# Altium PCB 飞控一体板.PcbDoc (part 2 of 2)
Units mil, origin at the board's own origin, x right, y up, seen from the top; angles counter-clockwise.
Board outline 2755.91 x 1968.5 mil, 2 copper layers (Top Layer, Bottom Layer); 100 components, 65 nets, 378 pads, 69 vias.
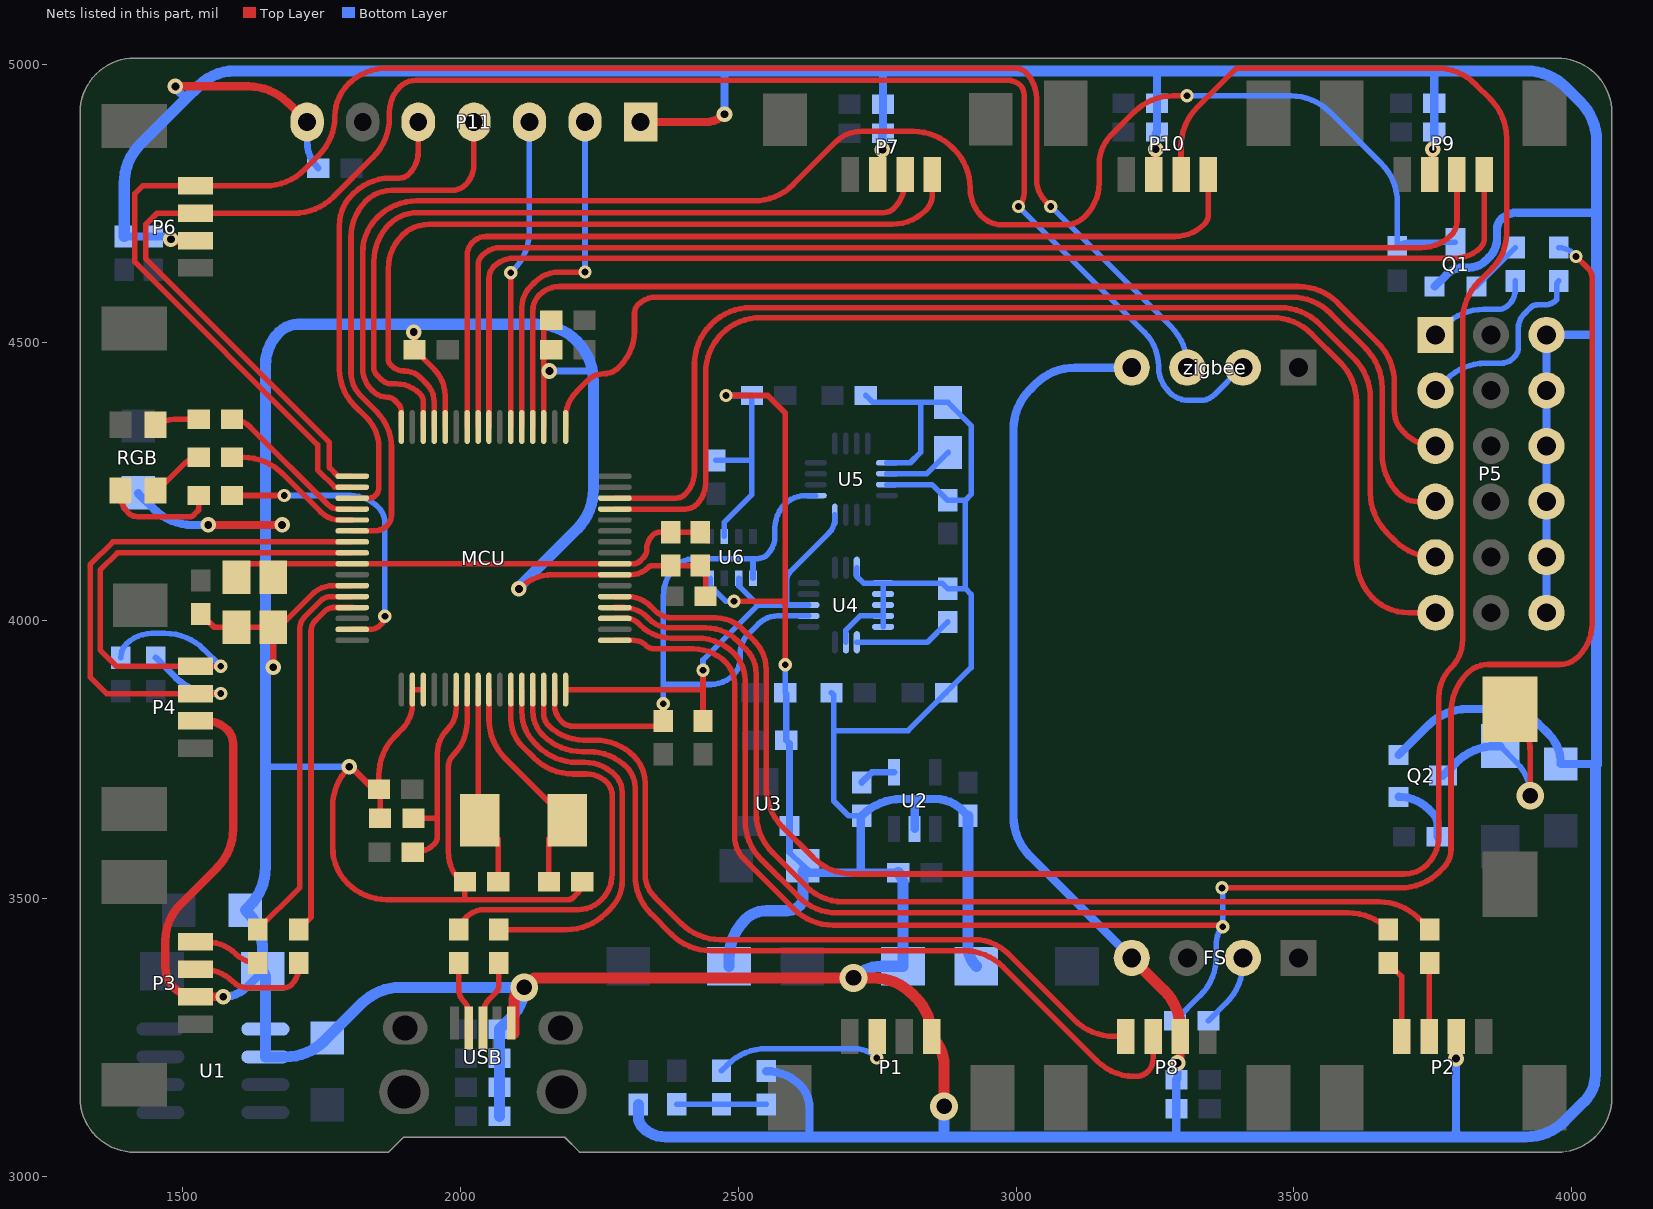
[diagram p2: the nets of this part, all layers, seen from the top]

## Via types
v1: diameter 28, hole 14, Top Layer to Bottom Layer, tented both sides, 31 vias
v2: diameter 24, hole 12, Top Layer to Bottom Layer, tented both sides, 30 vias
v3: diameter 50, hole 28, Top Layer to Bottom Layer, tented both sides, 8 vias

## Nets (pads, with @x,y where several pads share a name; then routed paths per layer and width w, separated by ;. In a path a pad name is that pad's centre, name@x,y a point inside that pad or via, vN(x,y) a via of type N, cw(c..) or ccw(c..) an arc to the next point about the centre after c; other vN are vias at no path point) (continued)
GND: C1.1 C2.1 C3.1 C5.1 C6.2 C7.1 C8.1 C9.1 C10.1 C11.1 C12.1 C13.1 C14.1 C15.1 C16.1 C17.1 C18.1 C19.2 C20.2 C21.1 C22.1 C23.1 C24.1 C25.1 C26.2 C27.1 C28.2 C29.1 C30.1 C31.1 C32.1 C33.1 C34.1 C35.1 C36.1 C37.1 C38.1 C39.1 C40.1 C41.1 C42.1 C43.1 D1.1 D2.1 D3.1 D4.1 FS.4 MC2.1 MC3.1 MC5.2 MC7.2 MC8.2 MCU.3 MCU.12 MCU.27 MCU.34 MCU.35 MCU.39 MCU.55 P1.4 P2.3 P3.3 P4.3 P5.13 P5.14 P5.15 P5.16 P5.17 P5.18 P6.3 P7.3 P8.3 P9.3 P10.3 P11.1 P11.7 Q1.2 Q2.2 R2.2 U1.1 U1.2 U2.2 U3.1 U4.8 U4.9 U4.10 U4.11 U4.12 U4.13 U4.15 U5.9 U5.11 U6.1 U6.7 USB.5 zigbee.4 | length 23890.5
  Top Layer w10: C10.1@1533.5,4012 1557.5,3988 C18.1@1597.5,3988 C17.1@1663.5,3988 ccw(c1663.5,4014.56) 1682.28,3995.78 1733.5,4047 cw(c1771.74,4008.76) 1771.74,4062.84 MCU.27@1805.67,4062.84 ; v1(1800.5,3737) 1799.79,3736.29 ccw(c1870.5,3665.58) 1770.5,3665.58 1770.5,3591.77 ccw(c1861.7,3591.77) 1797.21,3527.29 ccw(c1867.92,3598) 1867.92,3498 2008.5,3498 ; C19.2@1855.75,3644.38 1855.75,3694.38 C9.1@1853.75,3696.38 1853.75,3721.83 cw(c1953.75,3721.83) 1883.04,3792.54 1895.5,3805 ccw(c1851,3849.5) 1913.93,3849.5 MCU.34@1913.93,3875.83 MCU.35@1933.62,3875.83 ; C11.1@1917.75,4487.38 1953.35,4451.78 cw(c1905.92,4404.36) 1972.99,4404.36 MCU.12@1972.99,4348.27 ; C8.1@2000.5,3531 cw(c2053.61,3584.11) 1978.5,3584.11 1978.5,3736.27 cw(c2009.23,3736.27) 1987.5,3758 ccw(c1927.48,3818.02) 2012.36,3818.02 MCU.39@2012.36,3875.83 ; C8.1@2008.5,3530 2008.5,3498 ; v1(2105.5,4057) cw(c2167.12,3995.38) 2167.12,4082.52 MCU.55@2278.11,4082.52 2307.3,4082.52 ccw(c2307.3,4125.2) 2337.48,4095.02 cw(c2347.08,4085.42) 2347.08,4099 C15.1@2378.5,4099 C16.1@2431.5,4099 cw(c2407.36,4074.86) 2441.5,4074.86 C14.1@2441.5,4044 ; MCU.3@2150.15,4348.27 2150.15,4540.38 C12.1@2163.75,4540.38 ; C7.1@2219.5,3530 cw(c2214.67,3530) 2218.09,3526.59 cw(c2193.94,3526.59) 2211.01,3509.51 2202.5,3501 cw(c2195.26,3508.24) 2195.26,3498 2008.5,3498 ; v2(2478.25,4404.88) 2553.25,4404.88 2584.75,4373.38 2584.75,4032 ; v2(2492.5,4035) 2577.9,4035 2578.9,4034 2580.82,4035.93 2584.75,4032 ; v2(2584.75,3920.38) 2584.75,4032
  Top Layer w12: v1(1663.5,3916) C17.1@1663.5,3988 ; v1@1805.62,3734.88 1837.32,3703.18 ccw(c1853.75,3719.62) C9.1@1853.75,3696.38 ; v1(1916.5,4519) cw(c1913.48,4515.98) 1917.75,4515.98 C11.1@1917.75,4487.38 ; v1@2155.5,4449 v1(2160.5,4449)
  Top Layer w15: v1(1479.5,4686) ccw(c1485.36,4691.85) 1485.36,4683.57 P6.3@1524.15,4683.57 ; v1(1487.5,4961) 1619.08,4961 cw(c1619.08,4861) 1689.79,4931.71 P11.7@1724.5,4897 ; P4.3@1524.15,3819.44 1543.23,3819.44 cw(c1543.23,3766.73) 1580.5,3804 cw(c1553.94,3777.44) 1591.5,3777.44 1591.5,3625.42 cw(c1491.5,3625.42) 1562.21,3554.71 1496.09,3488.59 ccw(c1560.27,3424.4) 1469.5,3424.4 1469.5,3376.88 ccw(c1522.32,3376.88) 1484.97,3339.53 ccw(c1524.15,3378.71) P3.3@1524.15,3323.3 1524.45,3323 v1(1573.5,3323) ; v1(1546.5,4172) v1(1679.5,4172) ; P11.1@2324.5,4897 2441.7,4897 ccw(c2441.7,4944.8) v1(2475.5,4911) ; P10.3@3247.57,4802.35 ccw(c3238.1,4811.82) 3251.5,4811.82 v1(3251.5,4848) ; v1(3290.5,3204) ccw(c3277.94,3216.56) 3295.7,3216.56 P8.3@3295.7,3252 ; P9.3@3744.07,4802.35 ccw(c3730.98,4815.44) 3749.5,4815.44 v1(3749.5,4848)
  Top Layer w20: USB.5@2096.5,3257 2096.5,3311.79 cw(c2147.71,3311.79) v3@2111.5,3348 ; v3@2133.23,3357 v3(2707.5,3357) 2743.08,3357 cw(c2743.08,3257) 2813.79,3327.71 2819.36,3322.14 cw(c2749.22,3252) P1.4@2848.41,3252 cw(c2795.09,3198.68) 2870.5,3198.68 v3(2870.5,3126) ; FS.4@3208.11,3393.14 3266.41,3334.84 cw(c3195.7,3264.13) 3295.7,3264.13 P8.3@3295.7,3252
  Bottom Layer w10: U6.1@2449.53,4076.36 2449.53,4062.9 2477.43,4035 v2@2490.5,4035 ; C28.2@2460.15,4288.18 2523.55,4288.18 2524.75,4289.38 ; U6.7@2475.13,4151.36 2475.13,4177.11 2524.75,4226.73 2524.75,4289.38 ; v2(2478.25,4404.88) C27.1@2524.75,4404.88 2524.75,4289.38 ; v2(2584.75,3920.38) C20.2@2584.75,3870.38 C20.2@2586.75,3868.38 ; C5.1@2586.75,3784.68 C5.1@2592.45,3778.98 ; MC5.2@2592.45,3582.98 MC5.2@2616.45,3558.98 ; C21.1@2667.75,3870.38 2671.75,3866.38 2671.75,3801.98 ; U4.15@2693.75,3960.97 2693.75,3982.68 2719.38,4008.31 U4.12@2760.77,4008.31 ; U4.8@2713.44,4095.01 2713.44,4079.59 2725.67,4067.36 U4.9@2760.77,4067.36 ; C3.1@2722.25,3648.68 2698.95,3648.68 2671.75,3675.88 2671.75,3801.98 ; C24.1@2729.75,4404.88 2742.25,4392.38 C25.1@2877.75,4392.38 2919.25,4350.88 2919.25,4226.97 2908.75,4216.47 ; U4.13@2760.77,3988.62 U4.12@2760.77,4008.31 ; U5.11@2767.65,4244.53 2848.69,4244.53 C26.2@2876.75,4216.47 2908.75,4216.47 ; U5.9@2767.65,4283.9 2809.67,4283.9 2828.35,4302.58 2828.35,4391.58 ; 2671.75,3801.98 2805.85,3801.98 C22.1@2874.25,3870.38 2919.25,3915.38 2919.25,4046.88 2908.75,4057.38 ; U4.12@2760.77,4008.31 U4.11@2760.77,4027.99 U4.10@2760.77,4047.68 U4.9@2760.77,4067.36 ; U4.9@2760.77,4067.36 2866.77,4067.36 C23.1@2876.75,4057.38 2908.75,4057.38 ; 2908.75,4057.38 2908.75,4216.47
  Bottom Layer w12: 1649.5,3736 cw(c1651.91,3733.59) 1651.91,3737 v1(1800.5,3737) ; v1@1649.5,3916 v1(1663.5,3916) ; P11.7@1724.5,4897 1724.5,4862.28 ccw(c1792.78,4862.28) C29.1@1744.5,4814 ; v1(1916.5,4519) 1916.5,4528.17 cw(c1923.33,4528.17) 1918.5,4533 ; v1(2160.5,4449) 2234.11,4449 cw(c2234.11,4443.13) 2238.26,4447.28 ; C5.1@2586.75,3784.68 C20.2@2586.75,3868.38 ; MC5.2@2592.45,3582.98 U3.1@2592.45,3630.08 C5.1@2592.45,3778.98 ; MC5.2@2616.45,3558.98 MC5.2@2628.95,3546.48
  Bottom Layer w15: C34.1@1395.5,4691 C39.1@1447.5,4691 1467.43,4691 cw(c1467.43,4673.93) v1(1479.5,4686) ; MC7.2@1420.5,4229 1448.21,4201.29 ccw(c1518.92,4272) 1518.92,4172 v1(1546.5,4172) ; v1(1487.5,4961) ccw(c1494.74,4961) 1489.62,4955.88 1506.5,4939 ; v1(1573.5,3323) ccw(c1573.5,3383.36) 1616.18,3340.68 D1.1@1644.5,3369 ; 1649.5,4173 ccw(c1651.91,4175.41) 1651.91,4172 v1(1679.5,4172) ; P11.1@2324.5,4897 ccw(c2310.01,4911.49) P11.1@2330.5,4911.49 ; v1(2475.5,4911) 2475.5,4981.7 cw(c2485.74,4981.7) 2478.5,4988.94 ; R2.2@2550.5,3189.43 cw(c2550.5,3103.57) 2611.22,3164.28 cw(c2569.49,3122.56) 2628.5,3122.56 2628.5,3071 ; MC5.2@2628.95,3546.48 2720.5,3546.48 ; C3.1@2722.25,3648.68 ccw(c2726.47,3644.45) 2720.5,3644.45 2720.5,3546.48 ; C3.1@2722.25,3648.68 2723.28,3649.71 cw(c2793.99,3579) 2793.99,3679 2816.5,3679 ; v1(2759.5,4847) 2759.5,4874.59 cw(c2762.91,4874.59) C40.1@2760.5,4877 C35.1@2760.5,4929 2760.5,4988.94 ; C1.1@2788.05,3546.48 2720.5,3546.48 ; U2.2@2817.65,3624.89 2817.65,3676.23 ccw(c2813.73,3676.23) 2816.5,3679 ; C2.1@2913.55,3648.68 2903.54,3658.69 ccw(c2854.5,3609.65) 2854.5,3679 2816.5,3679 ; FS.4@3208.11,3393.14 3024.79,3576.46 cw(c3095.5,3647.17) 2995.5,3647.17 2995.5,4344.58 cw(c3095.5,4344.58) 3024.79,4415.29 3035.21,4425.71 cw(c3105.92,4355) 3105.92,4455 zigbee.4@3208.11,4455 ; v1(3251.5,4848) 3251.5,4874.17 cw(c3258.33,4874.17) C41.1@3253.5,4879 C36.1@3253.5,4931 3253.5,4988.94 ; 3288.5,3073.41 C38.1@3288.5,3122 C43.1@3288.5,3174 ccw(c3283.67,3178.83) 3290.5,3178.83 v1(3290.5,3204) ; Q2.2@3688.13,3758 3741.84,3811.71 cw(c3812.55,3741) 3812.55,3841 3875.13,3841 cw(c3875.13,3749.26) 3940,3814.13 3957.5,3796.63 cw(c3902.88,3742) MC8.2@3980.13,3742 4044.5,3742 ; v1(3749.5,4848) ccw(c3742.26,4855.24) 3752.5,4855.24 C42.1@3752.5,4879 C37.1@3752.5,4931 3752.5,4988.94 ; Q1.2@3753.18,4601 3774.23,4622.05 cw(c3805.5,4590.78) 3805.5,4635 3814.12,4635 ccw(c3814.12,4679.38) 3845.5,4648 3852.23,4654.73 ccw(c3820.97,4686) 3865.18,4686 3865.18,4704.34 cw(c3890.16,4704.34) 3872.5,4722 cw(c3901.47,4693.03) 3901.47,4734 4035.5,4734 ; 3791.5,3075.83 v1(3791.5,3212) ; P5.18@3954.44,4014 P5.17@3954.44,4114 P5.16@3954.44,4214 P5.15@3954.44,4314 P5.14@3954.44,4414 P5.13@3954.44,4514 4044.5,4514
  Bottom Layer w20: C34.1@1395.5,4691 1395.5,4786.58 cw(c1495.5,4786.58) 1424.79,4857.29 1506.5,4939 1529.66,4962.16 cw(c1594.33,4897.48) 1594.33,4988.94 2478.5,4988.94 2760.5,4988.94 3253.5,4988.94 3752.5,4988.94 3918.13,4988.94 cw(c3918.13,4888.94) 3988.84,4959.66 4015.21,4933.29 cw(c3944.5,4862.58) 4044.5,4862.58 4044.5,4514 4044.5,3742 ccw(c4049.32,3737.18) 4042.5,3737.18 4042.5,3183.7 cw(c3973.21,3183.7) 4022.21,3134.71 3987.79,3100.29 cw(c3917.08,3171) 3917.08,3071 3793.5,3071 ; C33.1@2070.5,3108 C32.1@2070.5,3160.25 C31.1@2070.5,3212.5 C30.1@2070.5,3264.75 2093.28,3287.53 ccw(c2040.81,3340) v3(2115.01,3340) 1892.92,3340 ccw(c1892.92,3240) 1822.21,3310.71 MC2.1@1760.5,3249 1755.79,3244.29 cw(c1685.08,3315) 1685.08,3215 U1.2@1649.5,3215 U1.1@1649.5,3265 1649.5,3356.93 ccw(c1632.43,3356.93) D1.1@1644.5,3369 1644.5,3406.58 ccw(c1544.5,3406.58) 1615.21,3477.29 MC3.1@1613.5,3479 1620.21,3485.71 ccw(c1549.5,3556.42) 1649.5,3556.42 1649.5,3736 1649.5,3916 1649.5,4173 1649.5,4458.64 cw(c1734.86,4458.64) 1674.5,4519 cw(c1708.3,4485.2) 1708.3,4533 1918.5,4533 2138.08,4533 cw(c2138.08,4433) 2208.79,4503.71 2210.21,4502.29 cw(c2139.5,4431.58) 2238.26,4447.28 cw(c2139.5,4431.58) 2239.5,4431.58 2239.5,4235.42 cw(c2139.5,4235.42) 2210.21,4164.71 v1@2104,4058.5 ; C6.2@2320.5,3129.5 2320.5,3107.31 ccw(c2347.81,3107.31) 2328.5,3088 ccw(c2369.54,3129.04) 2369.54,3071 2628.5,3071 2873.5,3071 ; D4.1@2483.5,3378 2483.5,3391.58 cw(c2583.5,3391.58) 2512.79,3462.29 cw(c2550.72,3424.36) 2550.72,3478 2587.36,3478 ccw(c2587.36,3512.14) 2611.5,3488 ccw(c2599.55,3499.95) 2616.45,3499.95 MC5.2@2616.45,3548 ; v3(2707.5,3357) cw(c2758.2,3306.3) 2758.2,3378 D2.1@2796.55,3378 2796.55,3525.95 ccw(c2767.52,3525.95) C1.1@2788.05,3546.48 ; v3(2870.5,3126) 2870.5,3078.24 ccw(c2880.74,3078.24) 2873.5,3071 ; C2.1@2913.55,3648.68 2913.55,3414.09 ccw(c2964.59,3414.09) D3.1@2928.5,3378 ; 3288.5,3073.41 cw(c3285.09,3073.41) 3287.5,3071 ; 3791.5,3075.83 ccw(c3798.33,3075.83) 3793.5,3071 ; 2873.5,3071 3287.5,3071 ; 3287.5,3071 3793.5,3071
I2C0SCL: MCU.47 R6.1 U4.2 U5.1 U6.4 | length 1230.1
  Top Layer w10: MCU.47@2169.84,3875.83 2169.84,3848.56 ccw(c2213.06,3848.56) 2182.5,3818 ccw(c2201.81,3837.31) 2201.81,3810 2355.97,3810 R6.1@2365.35,3819.38 v2(2365.35,3850.38)
  Bottom Layer w10: v2(2365.35,3850.38) 2365.35,3885 ; U6.4@2526.73,4076.36 2526.73,4109.84 cw(c2529.19,4109.84) 2527.45,4111.58 ; U4.2@2626.73,4008.31 2571.05,4008.31 ccw(c2571.05,3959.45) 2536.5,3994 2518.35,3975.85 ccw(c2554.2,3940) 2503.5,3940 2503.5,3930.97 cw(c2462.53,3930.97) 2491.5,3902 cw(c2450.46,3943.04) 2450.46,3885 2365.35,3885 ; U5.1@2639.54,4224.84 2621.28,4224.84 ccw(c2621.28,4172.04) 2583.95,4209.38 ccw(c2626.92,4166.4) 2566.15,4166.4 2566.15,4151.89 cw(c2519.03,4151.89) 2552.35,4118.58 cw(c2535.45,4135.48) 2535.45,4111.58 2527.45,4111.58 ; 2365.35,3885 2365.35,4043.52 cw(c2440.98,4043.52) 2387.5,4097 cw(c2422.69,4061.81) 2422.69,4111.58 2527.45,4111.58
I2C0SDA: MCU.48 R5.1 U4.3 U5.16 U6.3 | length 846.2
  Top Layer w10: MCU.48@2189.53,3875.83 2436.75,3875.83 ; R5.1@2436.75,3819.38 2436.75,3875.83 ; v2(2436.75,3910.83) 2436.75,3875.83
  Bottom Layer w10: v2(2436.75,3910.83) 2436.75,3929.23 2535.51,4027.99 ; U6.3@2501.13,4076.36 2501.5,4075.99 2501.5,4062 2535.51,4027.99 ; U4.3@2626.73,4027.99 2587.05,4027.99 ; U5.16@2674.06,4190.32 2674.06,4183.49 cw(c2637.14,4183.49) 2663.25,4157.38 2594.83,4088.96 ccw(c2613.61,4070.18) 2587.05,4070.18 2587.05,4027.99 ; 2535.51,4027.99 2587.05,4027.99
I2C1SCL: MCU.23 P4.2 R22.1 | length 1077.1
  Top Layer w10: v2(1569.15,3868.65) P4.2@1524.15,3868.65 1363.85,3868.65 1334.09,3898.41 1334.09,4100.59 1375.08,4141.58 MCU.23@1805.67,4141.58
  Bottom Layer w12: R22.1@1452.5,3933 1487.56,3897.94 ccw(c1558.27,3968.65) 1558.27,3868.65 v2(1569.15,3868.65)
I2C1SDA: MCU.24 P4.1 R21.1 | length 1061.6
  Top Layer w10: v2(1569.15,3917.86) P4.1@1524.15,3917.86 1381.64,3917.86 1352.09,3947.41 1352.09,4090.59 1383.39,4121.89 MCU.24@1805.67,4121.89
  Bottom Layer w10: R21.1@1389.5,3933 1389.5,3933.86 cw(c1423.64,3933.86) 1399.5,3958 cw(c1445.37,3912.13) 1445.37,3977 1468.59,3977 cw(c1468.59,3877) 1539.3,3947.71 v2(1569.15,3917.86)
LED_B: MCU.20 R10.2 | length 280
  Top Layer w10: R10.2@1589.5,4362 cw(c1589.5,4316.13) 1621.94,4348.56 1762.5,4208 ccw(c1780.28,4225.78) 1780.28,4200.63 MCU.20@1805.67,4200.63
LED_G: MCU.21 R11.2 | length 256.4
  Top Layer w10: R11.2@1589.5,4293.5 1609.62,4293.5 cw(c1609.62,4193.5) 1680.33,4264.21 1749.53,4195.02 ccw(c1783.5,4229) 1783.5,4180.95 MCU.21@1805.67,4180.95
LED_R: MCU.31 R12.2 | length 539.3
  Top Layer w10: R12.2@1589.5,4225 v2(1683.5,4225) ; MCU.31@1805.67,3984.1 1837.42,3984.1 ccw(c1837.42,4011.08) 1856.49,3991.99 1858.84,3994.34 ccw(c1845.19,4008) v2(1864.5,4008)
  Bottom Layer w10: v2(1683.5,4225) 1801.8,4225 cw(c1801.8,4153.3) 1852.5,4204 cw(c1823.53,4175.03) 1864.5,4175.03 v2(1864.5,4008)
MCU_RST: C19.1 MCU.38 R4.1 | length 374.4
  Top Layer w10: R4.1@1914.75,3583.38 1918.2,3583.38 ccw(c1918.2,3633.3) 1953.5,3598 ccw(c1940.83,3610.67) 1958.75,3610.67 1958.75,3645.38 ; C19.1@1915.75,3644.38 1957.75,3644.38 1958.75,3645.38 ; MCU.38@1992.67,3875.83 1992.67,3841.63 cw(c1940.87,3841.63) 1977.5,3805 ccw(c2022.77,3759.73) 1958.75,3759.73 1958.75,3645.38
NetB1_2: B1.2 D5.1 Q2.3 | length 477.2
  Top Layer w10: B1.2@3888.5,3840.48 3895.84,3833.14 cw(c3825.13,3762.43) 3925.13,3762.43 v3(3925.13,3685)
  Top Layer w12: B1.2@3888.5,3840.48 cw(c3848.35,3800.33) B1.2@3905.13,3800.33
  Top Layer w15: B1.2@3849.13,3840.48 B1.2@3875.84,3813.77
  Bottom Layer w10: D5.1@3871.13,3774.1 3900.31,3744.92 cw(c3840.39,3685) v3(3925.13,3685)
  Bottom Layer w15: Q2.3@3768.13,3721 3791.94,3744.81 cw(c3862.65,3674.1) 3862.65,3774.1 D5.1@3871.13,3774.1
NetC3_2: C3.2 U2.4 | length 65.9
  Bottom Layer w12: C3.2@2722.25,3708.68 2740.46,3726.89 U2.4@2780.65,3726.89
NetC7_2: C7.2 MCU.41 X1.1 | length 413.5
  Top Layer w10: MCU.41@2051.73,3875.83 2051.73,3822.56 ccw(c2151.73,3822.56) 2081.02,3751.85 X1.1@2192.49,3640.38 2159.5,3607.39 C7.2@2159.5,3530
NetC8_2: C8.2 MCU.40 X1.2 | length 360.9
  Top Layer w10: MCU.40@2032.04,3875.83 2032.04,3643.34 X1.2@2035.01,3640.38 2068.5,3606.89 C8.2@2068.5,3530
NetC15_2: C15.2 C16.2 C17.2 C18.2 MCU.25 MCU.56 | length 877.6
  Top Layer w10: C18.2@1597.5,4078 1621.71,4102.21 MCU.25@1805.67,4102.21 MCU.56@2278.11,4102.21 2311.93,4102.21 ccw(c2311.93,4118.57) 2323.5,4107 2329.14,4112.64 ccw(c2313.77,4128) 2335.5,4128 cw(c2371.71,4128) 2346.11,4153.61 cw(c2359.13,4140.59) 2359.13,4159 C15.2@2378.5,4159 C16.2@2431.5,4159
NetC23_2: C23.2 U4.14 | length 178.4
  Bottom Layer w10: U4.14@2713.44,3960.97 2840.34,3960.97 C23.2@2876.75,3997.38
NetC25_2: C25.2 U5.10 | length 125.9
  Bottom Layer w10: U5.10@2767.65,4264.21 2839.58,4264.21 C25.2@2877.75,4302.38
NetFS_2: FS.2 R99.1 | length 134.6
  Bottom Layer w10: R99.1@3346,3280 3378.82,3312.82 ccw(c3308.11,3383.53) 3408.11,3383.53 FS.2@3408.11,3393.14
NetP1_2: P1.2 R3.1 | length 335.4
  Top Layer w10: v2(2749.5,3213) 2749.5,3250.82 cw(c2751.17,3250.82) P1.2@2749.99,3252
  Bottom Layer w10: R3.1@2470.03,3190 2480.74,3200.71 cw(c2551.45,3130) 2551.45,3230 2708.46,3230 cw(c2708.46,3171.96) v2(2749.5,3213)
NetP2_1: P2.1 R17.1 | length 142.1
  Top Layer w10: R17.1@3669.5,3384 3693.78,3359.72 P2.1@3693.78,3252
NetP2_2: P2.2 R18.1 | length 132.6
  Top Layer w10: P2.2@3742.99,3252 3742.99,3382.49 R18.1@3744.5,3384
NetP3_1: P3.1 R19.1 | length 121.4
  Top Layer w10: P3.1@1524.15,3421.72 1544.05,3421.72 cw(c1544.05,3347.55) 1596.5,3400 ccw(c1635.13,3438.63) 1635.13,3384 R19.1@1635.5,3384
NetP3_2: P3.2 R20.1 | length 225.4
  Top Layer w10: P3.2@1524.15,3372.51 1537.15,3372.51 cw(c1537.15,3295.65) 1591.5,3350 ccw(c1618.06,3376.56) 1618.06,3339 1682.01,3339 ccw(c1682.01,3359.49) 1696.5,3345 ccw(c1665.12,3376.38) 1709.5,3376.38 R20.1@1709.5,3384
NetQ1_1: Q1.1 R8.2 | length 99
  Bottom Layer w10: Q1.1@3828.18,4601 R8.2@3898.18,4671
NetQ2_1: Q2.1 R13.2 | length 115.4
  Bottom Layer w15: Q2.1@3688.13,3683 cw(c3688.13,3605.75) 3742.76,3660.37 3751.13,3652 cw(c3734.23,3635.1) 3758.13,3635.1 R13.2@3758.13,3611
NetR1_2: R1.2 R2.1 R3.2 | length 161.1
  Bottom Layer w10: R1.2@2389.57,3130 R3.2@2470.03,3130 2549.13,3130 cw(c2549.13,3128.06) R2.1@2550.5,3129.43
NetR10_1: R10.1 RGB.1 | length 81.5
  Top Layer w10: RGB.1@1451.68,4348.14 cw(c1485.14,4314.68) 1485.14,4362 R10.1@1529.5,4362
NetR11_1: R11.1 RGB.3 | length 102.6
  Top Layer w10: RGB.3@1451.68,4230.03 1505,4283.35 cw(c1529.5,4258.86) R11.1@1529.5,4293.5
NetR12_1: R12.1 RGB.4 | length 198.9
  Top Layer w10: RGB.4@1388.69,4230.03 1388.69,4227.34 ccw(c1435.84,4227.34) 1402.5,4194 ccw(c1419.4,4210.9) 1419.4,4187 1513.5,4187 ccw(c1513.5,4196.66) 1520.33,4189.83 1527.5,4197 ccw(c1522.67,4201.83) 1529.5,4201.83 R12.1@1529.5,4225
NetR15_1: R15.1 USB.2 | length 131.7
  Top Layer w10: R15.1@1997.5,3384 1997.5,3335.31 ccw(c2024.81,3335.31) 2005.5,3316 cw(c1982.14,3292.64) 2015.18,3292.64 USB.2@2015.18,3267 USB.2@2015.18,3257
NetR16_1: R16.1 USB.3 | length 136.3
  Top Layer w10: USB.3@2040.77,3257 USB.3@2040.77,3267 2040.77,3290.68 cw(c2080.82,3290.68) 2052.5,3319 2063.21,3329.71 ccw(c2048.01,3344.9) 2069.5,3344.9 R16.1@2069.5,3384
OLED_D0: MCU.19 P11.5 | length 824.9
  Top Layer w10: MCU.19@1805.67,4220.32 1836.2,4220.32 ccw(c1836.2,4236.3) 1847.5,4225 ccw(c1833.01,4239.49) 1853.5,4239.49 1853.5,4311.89 ccw(c1778.39,4311.89) 1831.5,4365 1809.37,4387.13 cw(c1874.24,4452) 1782.5,4452 1782.5,4710.47 cw(c1861.03,4710.47) 1805.5,4766 1807.92,4768.42 cw(c1874.5,4701.85) 1874.5,4796 1890.6,4796 ccw(c1890.6,4819.9) 1907.5,4803 ccw(c1866.46,4844.04) 1924.5,4844.04 P11.5@1924.5,4897
OLED_D1: MCU.22 P11.4 | length 986.2
  Top Layer w10: MCU.22@1805.67,4161.26 1844.99,4161.26 ccw(c1844.99,4194.51) 1868.5,4171 ccw(c1849.6,4189.9) 1876.33,4189.9 1876.33,4311.23 ccw(c1784.73,4311.23) 1849.5,4376 1820.47,4405.03 cw(c1861.44,4446) 1803.5,4446 1803.5,4689.82 cw(c1895.68,4689.82) 1830.5,4755 cw(c1876.37,4709.13) 1876.37,4774 1985.36,4774 ccw(c1985.36,4808.14) 2009.5,4784 ccw(c1973.29,4820.21) 2024.5,4820.21 P11.4@2024.5,4897
OLED_DC: MCU.5 P11.2 | length 633
  Top Layer w10: MCU.5@2110.78,4348.27 2110.78,4563.06 cw(c2164.44,4563.06) 2126.5,4601 2134.12,4608.62 cw(c2178.5,4564.23) 2178.5,4627 v2(2224.5,4627)
  Bottom Layer w10: v2(2224.5,4627) P11.2@2224.5,4897
OLED_RST: MCU.6 P11.3 | length 558.3
  Top Layer w10: MCU.6@2091.1,4348.27 v2(2091.1,4626)
  Bottom Layer w10: v2(2091.1,4626) 2095.21,4630.11 ccw(c2024.5,4700.82) 2124.5,4700.82 P11.3@2124.5,4897
PPM_OUT: P5.3 R9.1 | length 345.3
  Bottom Layer w10: P5.3@3754.44,4414 3774.16,4433.71 cw(c3844.87,4363) 3844.87,4463 3872.77,4463 ccw(c3872.77,4493.73) 3894.5,4472 3896.43,4473.93 ccw(c3879.36,4491) 3903.5,4491 3903.5,4525.44 cw(c3941.06,4525.44) 3914.5,4552 3924.84,4562.34 cw(c3938.5,4548.69) 3938.5,4568 3950.77,4568 ccw(c3950.77,4598.73) 3972.5,4577 3972.5,4602.1 cw(c3985.08,4602.1) R9.1@3976.18,4611
PWM1: MCU.1 P5.7 | length 1975.7
  Top Layer w10: MCU.1@2189.53,4348.27 2189.53,4363.78 cw(c2257.72,4363.78) 2209.5,4412 2230.19,4432.69 cw(c2257.5,4405.37) 2257.5,4444 2257.94,4444 ccw(c2257.94,4481.56) 2284.5,4455 2287.34,4457.84 ccw(c2224.17,4521) 2313.5,4521 2313.5,4553.51 cw(c2333.99,4553.51) 2319.5,4568 cw(c2353.3,4534.2) 2353.3,4582 3495.08,4582 cw(c3495.08,4482) 3565.79,4552.71 3629.21,4489.29 cw(c3558.5,4418.58) 3658.5,4418.58 3658.5,4299.42 ccw(c3758.5,4299.42) 3687.79,4228.71 ccw(c3723.3,4264.23) 3723.3,4214 P5.7@3754.44,4214
PWM2: MCU.4 P5.5 | length 2028.4
  Top Layer w10: MCU.4@2130.47,4348.27 2130.47,4557.13 cw(c2171.13,4557.13) 2142.38,4585.88 cw(c2178.88,4549.37) 2178.88,4601 3508.08,4601 cw(c3508.08,4501) 3578.79,4571.71 3651.21,4499.29 cw(c3580.5,4428.58) 3680.5,4428.58 3680.5,4377.21 ccw(c3731.71,4377.21) 3695.49,4341.01 3699.91,4336.59 ccw(c3754.44,4391.12) P5.5@3754.44,4314
PWM7: MCU.61 P5.11 | length 2177.3
  Top Layer w10: MCU.61@2278.11,4200.63 2405.3,4200.63 ccw(c2405.3,4229.2) 2425.5,4209 ccw(c2386.87,4247.63) 2441.5,4247.63 2441.5,4445.58 cw(c2541.5,4445.58) 2470.79,4516.29 cw(c2540.1,4446.98) 2540.1,4545 3461.08,4545 cw(c3461.08,4445) 3531.79,4515.71 3583.21,4464.29 cw(c3512.5,4393.58) 3612.5,4393.58 3612.5,4111.42 ccw(c3712.5,4111.42) 3641.79,4040.71 ccw(c3706.27,4105.2) 3706.27,4014 P5.11@3754.44,4014
PWM8: MCU.62 P5.9 | length 2075.5
  Top Layer w10: MCU.62@2278.11,4220.32 2388.37,4220.32 ccw(c2388.37,4243.13) 2404.5,4227 ccw(c2363.46,4268.04) 2421.5,4268.04 2421.5,4461.99 cw(c2520.51,4461.99) 2450.5,4532 2452.21,4533.71 cw(c2522.92,4463) 2522.92,4563 3475.04,4563 cw(c3475.04,4463) 3545.75,4533.71 3608.21,4471.25 cw(c3537.5,4400.54) 3637.5,4400.54 3637.5,4229.42 ccw(c3737.5,4229.42) 3666.79,4158.71 3682.21,4143.29 ccw(c3752.92,4214) 3752.92,4114 P5.9@3754.44,4114
RC_PPM: MCU.49 R9.2 R99.2 | length 3500.6
  Top Layer w10: MCU.49@2278.11,3964.41 2311.77,3964.41 cw(c2311.77,3932.27) 2334.5,3955 ccw(c2348.99,3969.49) 2348.99,3949 2419.56,3949 cw(c2419.56,3867.06) 2477.5,3925 cw(c2438.87,3886.37) 2493.5,3886.37 2493.5,3612.42 ccw(c2552.46,3612.42) 2510.77,3570.73 2600.21,3481.29 ccw(c2670.92,3552) 2670.92,3452 v2@3372.08,3452 ; v2(3370.5,3519) 3691.08,3519 ccw(c3691.08,3619) 3761.79,3548.29 3769.07,3555.56 ccw(c3736.63,3588) 3782.5,3588 3782.5,3834.58 cw(c3882.5,3834.58) 3811.79,3905.29 cw(c3849.72,3867.36) 3849.72,3921 3977.7,3921 ccw(c3977.7,3968.8) 4011.5,3935 ccw(c3951.14,3995.36) 4036.5,3995.36 4036.5,4616.2 ccw(c4012.84,4616.2) 4029.57,4632.93 v2(4007.5,4655)
  Bottom Layer w10: R99.2@3286,3280 3331.21,3325.21 ccw(c3260.5,3395.92) 3360.5,3395.92 3360.5,3421.05 cw(c3400.03,3421.05) v2(3372.08,3449) 3372.08,3515.19 ccw(c3366.69,3515.19) v2(3370.5,3519) ; R9.2@3976.18,4671 cw(c3976.18,4634.03) 4002.33,4660.17 v2(4007.5,4655)
RC_SBUS: MCU.16 Q1.3 R7.1 | length 2829.3
  Top Layer w10: MCU.16@1894.25,4348.27 1894.25,4374.71 ccw(c1871.21,4374.71) 1887.5,4391 1882.16,4396.34 ccw(c1868.5,4382.69) 1868.5,4402 cw(c1868.5,4438.21) 1842.89,4412.61 1840.76,4414.74 cw(c1880.03,4454) 1824.5,4454 1824.5,4662.23 cw(c1913.27,4662.23) 1850.5,4725 1851.21,4725.71 cw(c1921.92,4655) 1921.92,4755 2528.08,4755 ccw(c2528.08,4855) 2598.79,4784.29 2676.12,4861.62 cw(c2720.5,4817.23) 2720.5,4880 2815.08,4880 cw(c2815.08,4780) 2885.79,4850.71 2888.21,4848.29 cw(c2817.5,4777.58) 2917.5,4777.58 ccw(c2988.91,4777.58) 2938.42,4727.08 ccw(c2974.83,4763.5) 2974.83,4712 3088.7,4712 ccw(c3088.7,4759.8) 3122.5,4726 3125.46,4728.96 ccw(c3067.42,4787) 3149.5,4787 3149.5,4820.89 cw(c3224.61,4820.89) 3171.5,4874 3212.21,4914.71 cw(c3282.92,4844) 3282.92,4944 v2(3307.5,4944)
  Bottom Layer w10: v2(3307.5,4944) 3494.08,4944 cw(c3494.08,4844) 3564.79,4914.71 3656.78,4822.72 cw(c3586.07,4752.01) 3686.07,4752.01 R7.1@3686.07,4671.57 cw(c3708.85,4648.79) 3708.85,4681 Q1.3@3790.18,4681
SBUS_OUT: P5.1 R8.1 | length 195.1
  Bottom Layer w10: P5.1@3754.44,4514 3771.41,4530.97 cw(c3841.5,4460.88) 3841.5,4560 3867.19,4560 ccw(c3867.19,4587.31) 3886.5,4568 ccw(c3858.29,4596.21) 3898.19,4596.21 R8.1@3898.18,4611
SWCLK: MCU.52 R18.2 | length 1869
  Top Layer w10: MCU.52@2278.11,4023.47 2294.41,4023.47 cw(c2294.41,3963.91) 2336.52,4006.02 2339.65,4002.89 ccw(c2378.27,4041.51) 2378.27,3986.89 2441.44,3986.89 cw(c2441.44,3904.42) 2499.76,3962.74 2514.29,3948.21 cw(c2470.33,3904.25) 2532.5,3904.25 2532.5,3653.42 ccw(c2632.5,3653.42) 2561.79,3582.71 2623.5,3521 ccw(c2688.68,3586.18) 2688.68,3494 3653.08,3494 cw(c3653.08,3394) 3723.79,3464.71 R18.2@3744.5,3444
SWDIO: MCU.51 R17.2 | length 1787.3
  Top Layer w10: MCU.51@2278.11,4003.78 2299.29,4003.78 cw(c2299.29,3973.79) 2320.5,3995 2323.96,3991.54 ccw(c2379.5,4047.11) 2379.5,3968.54 2426.01,3968.54 cw(c2426.01,3874.51) 2492.5,3941 cw(c2444.22,3892.72) 2512.5,3892.72 2512.5,3640.42 ccw(c2612.5,3640.42) 2541.79,3569.71 2608.21,3503.29 ccw(c2678.92,3574) 2678.92,3474 3598.08,3474 cw(c3598.08,3374) 3668.79,3444.71 R17.2@3669.5,3444
UART0_RX: MCU.17 P6.2 zigbee.2 | length 3158.8
  Top Layer w10: MCU.17@1805.67,4259.69 1780.19,4259.69 1764.5,4275.38 1764.5,4320.46 1434.5,4650.46 1434.5,4713 1454.29,4732.79 P6.2@1524.15,4732.79 1700.87,4732.79 ccw(c1700.87,4832.79) 1771.58,4762.08 1843.21,4833.71 ccw(c1772.5,4904.42) 1872.5,4904.42 1872.5,4914.13 cw(c1937.37,4914.13) 1891.5,4960 cw(c1920.47,4931.03) 1920.47,4972 2985.77,4972 cw(c2985.77,4941.27) 3007.5,4963 cw(c2990.6,4946.1) 3014.5,4946.1 3014.5,4769.14 cw(c2980.36,4769.14) v2(3004.5,4745)
  Bottom Layer w10: v2(3004.5,4745) 3231.04,4518.46 cw(c3169.59,4457) 3256.5,4457 ccw(c3321.68,4457) 3275.59,4410.91 ccw(c3311.58,4446.9) 3311.58,4396 3332.36,4396 ccw(c3332.36,4430.14) 3356.5,4406 3403.66,4453.16 cw(c3408.11,4448.71) zigbee.2@3408.11,4455
UART0_TX: MCU.18 P6.1 zigbee.3 | length 3076.5
  Top Layer w10: MCU.18@1805.67,4240 1774.42,4240 1743.5,4270.92 1743.5,4316 1414.5,4645 1414.5,4768 1428.5,4782 P6.1@1524.15,4782 1649.08,4782 ccw(c1649.08,4882) 1719.79,4811.29 1745.21,4836.71 ccw(c1674.5,4907.42) 1774.5,4907.42 cw(c1855.57,4907.42) 1798.24,4964.74 cw(c1868.74,4894.25) 1868.74,4993.94 2998.42,4993.94 cw(c2998.42,4967.06) 3017.43,4986.07 cw(c2970.41,4939.05) 3036.91,4939.05 3036.91,4793 ccw(c3091,4793) 3052.75,4754.75 v2(3062.5,4745)
  Bottom Layer w10: v2(3062.5,4745) 3278.82,4528.68 cw(c3208.11,4457.97) 3308.11,4457.97 zigbee.3@3308.11,4455
UART1_RX: MCU.45 P8.2 | length 1599.1
  Top Layer w10: MCU.45@2130.47,3875.83 2130.47,3837.53 ccw(c2192.03,3837.53) 2148.5,3794 2149.21,3793.29 ccw(c2219.92,3864) 2219.92,3764 2231.9,3764 cw(c2231.9,3668.4) 2299.5,3736 cw(c2263.29,3699.79) 2314.5,3699.79 2314.5,3542.42 ccw(c2414.5,3542.42) 2343.79,3471.71 2380.21,3435.29 ccw(c2450.92,3506) 2450.92,3406 2906.08,3406 cw(c2906.08,3306) 2976.79,3376.71 3145.92,3207.58 ccw(c3212.5,3274.15) 3212.5,3180 3215.77,3180 ccw(c3215.77,3210.73) 3237.5,3189 ccw(c3215.8,3210.7) 3246.49,3210.7 P8.2@3246.49,3252
UART1_TX: MCU.46 P8.1 | length 1437.7
  Top Layer w10: MCU.46@2150.15,3875.83 2150.15,3832.11 ccw(c2179.61,3832.11) 2158.78,3811.28 ccw(c2222.23,3874.73) 2222.23,3785 2242.08,3785 cw(c2242.08,3685) 2312.79,3755.71 cw(c2265.2,3708.12) 2332.5,3708.12 2332.5,3544.04 ccw(c2390.54,3544.04) 2349.5,3503 2397.21,3455.29 ccw(c2467.92,3526) 2467.92,3426 2934.19,3426 cw(c2920.5,3332.85) 2987.08,3399.42 3105.21,3281.29 ccw(c3175.92,3352) 3175.92,3252 P8.1@3197.28,3252
UART2_RX: MCU.53 P10.2 | length 3950.5
  Top Layer w10: MCU.53@2278.11,4043.15 2301.09,4043.15 cw(c2301.09,3984.59) 2342.5,4026 2350.77,4017.73 ccw(c2381.5,4048.46) 2381.5,4005 2459.5,4005 cw(c2459.5,3937.4) 2507.3,3985.2 2529.12,3963.38 cw(c2477.49,3911.76) 2550.5,3911.76 2550.5,3699.42 ccw(c2650.5,3699.42) 2579.79,3628.71 2635.21,3573.29 ccw(c2705.92,3644) 2705.92,3544 3698.63,3544 ccw(c3698.63,3601.63) 3739.38,3560.88 ccw(c3688.39,3611.87) 3760.5,3611.87 3760.5,3861.89 cw(c3835.61,3861.89) 3782.5,3915 ccw(c3731.8,3965.7) 3803.5,3965.7 3803.5,4539.58 cw(c3903.5,4539.58) 3832.79,4610.29 3857.04,4634.54 ccw(c3795.59,4696) 3882.5,4696 3882.5,4867.58 ccw(c3782.5,4867.58) 3853.21,4938.29 3826.84,4964.66 ccw(c3756.13,4893.94) 3756.13,4993.94 3401.5,4993.94 ccw(c3401.5,4981.74) 3392.88,4990.38 ; P10.2@3296.79,4802.35 3296.79,4852.87 cw(c3396.79,4852.87) 3326.08,4923.58 3392.87,4990.37
UART2_TX: MCU.10 P10.1 | length 1751.3
  Top Layer w10: MCU.10@2012.36,4348.27 2012.36,4656.69 cw(c2046.57,4656.69) 2022.38,4680.88 cw(c2046.81,4656.44) 2046.81,4691 3285.39,4691 ccw(c3285.39,4766.11) 3338.5,4713 ccw(c3320.39,4731.11) 3346,4731.11 P10.1@3346,4802.35
UART3_RX: MCU.14 P7.2 | length 1410.6
  Top Layer w10: MCU.14@1933.62,4348.27 1933.62,4393.23 ccw(c1912.73,4393.23) 1927.5,4408 ccw(c1884.04,4364.54) 1884.04,4426 1876.81,4426 cw(c1876.81,4453.31) 1857.51,4433.99 1850.86,4440.64 cw(c1866.23,4456) 1844.5,4456 1844.5,4645.4 cw(c1940.1,4645.4) 1872.5,4713 cw(c1923.2,4662.3) 1923.2,4734 2762.29,4734 ccw(c2762.29,4758.66) 2779.72,4741.22 ccw(c2730.07,4790.87) 2800.29,4790.87 P7.2@2800.29,4802.35
UART3_TX: MCU.13 P7.1 | length 1419.5
  Top Layer w10: MCU.13@1953.3,4348.27 1953.3,4392.67 ccw(c1906.17,4392.67) 1939.5,4426 1928.45,4437.05 ccw(c1899.6,4408.2) 1899.6,4449 cw(c1899.6,4483.04) 1875.53,4458.97 cw(c1887.67,4471.11) 1870.5,4471.11 1870.5,4632.64 cw(c1955.86,4632.64) 1895.5,4693 cw(c1943.78,4644.72) 1943.78,4713 2777.14,4713 ccw(c2777.14,4798.36) 2837.5,4738 ccw(c2808.53,4766.97) 2849.5,4766.97 P7.1@2849.5,4802.35
UART7_RX: MCU.9 P9.2 | length 2175.6
  Top Layer w10: MCU.9@2032.04,4348.27 2032.04,4639 cw(c2057.5,4639) 2039.5,4657 cw(c2073.3,4623.2) 2073.3,4671 3729.39,4671 ccw(c3729.39,4746.11) 3782.5,4693 ccw(c3756.46,4719.04) 3793.29,4719.04 P9.2@3793.29,4802.35
UART7_TX: MCU.8 P9.1 | length 2208.4
  Top Layer w10: MCU.8@2051.73,4348.27 2051.73,4615.83 cw(c2081.67,4615.83) 2060.5,4637 cw(c2096.71,4600.79) 2096.71,4652 3789.63,4652 ccw(c3789.63,4716.87) 3835.5,4671 ccw(c3818.6,4687.9) 3842.5,4687.9 P9.1@3842.5,4802.35
ULTRASONIC0_P1: MCU.28 R19.2 | length 696
  Top Layer w10: R19.2@1635.5,3444 1711.5,3520 1711.5,3987 cw(c1737.91,3987) 1719.23,4005.67 1748.83,4035.27 cw(c1767.5,4016.59) 1767.5,4043 1805.51,4043 MCU.28@1805.67,4043.15
ULTRASONIC0_P2: MCU.29 R20.2 | length 642.2
  Top Layer w10: R20.2@1709.5,3444 1731.5,3466 1731.5,3980.55 cw(c1759.1,3980.55) 1739.58,4000.07 1756.99,4017.48 cw(c1771.46,4003.01) 1771.46,4023.47 MCU.29@1805.67,4023.47
USB0DM: MCU.43 R15.2 | length 791.1
  Top Layer w10: R15.2@1997.5,3457.62 R15.2@1997.5,3444 cw(c2019.23,3444) 2003.86,3459.36 2010.5,3466 cw(c2044.3,3432.2) 2044.3,3480 2211.97,3480 ccw(c2211.97,3539.21) 2253.84,3497.34 ccw(c2206.39,3544.8) 2273.5,3544.8 2273.5,3684.86 ccw(c2239.36,3684.86) 2263.5,3709 ccw(c2227.29,3672.79) 2227.29,3724 2202.92,3724 cw(c2202.92,3824) 2132.21,3753.29 2111.5,3774 cw(c2160.75,3823.25) 2091.1,3823.25 MCU.43@2091.1,3875.83
USB0DP: MCU.44 R16.2 | length 724.7
  Top Layer w10: R16.2@2069.5,3444 2191.08,3444 ccw(c2191.08,3544) 2261.79,3473.29 2270.84,3482.34 ccw(c2220.97,3532.21) 2291.5,3532.21 2291.5,3690.62 ccw(c2247.12,3690.62) 2278.5,3722 ccw(c2222.97,3666.47) 2222.97,3745 2209.92,3745 cw(c2209.92,3845) 2139.21,3774.29 2134.5,3779 cw(c2191.75,3836.25) 2110.78,3836.25 MCU.44@2110.78,3875.83
pads on no net: FS.1 MCU.7 MCU.15 MCU.32 MCU.33 MCU.36 MCU.50 MCU.57 MCU.58 MCU.59 MCU.60 P1.0 P2.0 P3.0 P4.0 P5.6 P5.8 P5.10 P5.12 P6.0 P7.0 P8.0 P9.0 P10.0 U1.8 U4.6 U4.7 U5.3 U5.4 U5.5 U5.6 U5.7 U5.8 U5.12 U5.14 U5.15 U6.2 U6.5 USB.4 USB.6 USB.7 USB.8 USB.9

## Keep-outs
Keep-Out Layer:
  lines w10: 1870.94,3043.44 1414.52,3043.44 cw(c1414.52,3141.87) 1316.09,3141.87 1316.09,4913.52 cw(c1414.52,4913.52) 1414.52,5011.94 3973.57,5011.94 cw(c3973.57,4913.52) 4072,4913.52 4072,3141.87 cw(c3973.57,3141.87) 3973.57,3043.44 2214.5,3043.44 2214.5,3044 2187.94,3070.56 1898.06,3070.56 1871.5,3044

## Other copper
Bottom Layer:
  text "不拿国一不毕业" at 3361.5,3586 h120 r270
  text "JMU ETA Fly" at 3161.5,3571 h150 r270

## Silkscreen, mask and mechanical layers (free items; w line width, h text height)
Top Overlay:
  rectangle: 2681.5,3546 2707.5,3998
  region: 2707.5,3533 2707.5,3559 2482.5,3559 2482.5,3533
  region: 3114.5,4186 3094.5,4186 3094.5,4013.33 3114.5,4013.33
  region: 3094.5,4186 3094.5,4166 3254.5,4166 3254.5,4186
  rectangle: 3234.5,4065 3254.5,4184.67
  region: 3333,4065 3333,4085 3235,4085 3235,4065
  region: 3333,4177 3313,4177 3313,4066.33 3333,4066.33
  region: 3313,4186 3313,4166 3417,4166 3417,4186
  region: 3417,4177.5 3397,4177.5 3397,4066.83 3417,4066.83
  region: 2631.5,3974 2694.5,4037 2757.5,3974
  region: 2506.5,3483 2443.5,3546 2506.5,3609
  region: 2726.5,3634 2708.5,3658 2738.5,3665
  lines w7.87: 3159.5,4503 3558.11,4503
  lines w10: 2586.5,3545 ccw(c2693.5,3551) 2720.87,3654.61 ; 2359.5,4216 2359.5,4644 2989.5,4644 2989.5,4340 2989.5,4081 2466.5,4081 2466.5,4216 2359.5,4216 ; 2550.5,4249 2834.5,4249 2834.5,4530 2550.5,4530 2550.5,4249
  text "Zigbee 接口" at 3172.5,4549 h70
  text "S  P  1  2  3  4" at 4015.5,4535 h70 r270
  text "硬件接口注释" at 3043.5,3917 h80
  text "X" at 2727.5,3877 h100
  text "POWE:Gnd 5V Vad Iad" at 3036.55,3841 h50
  text "SWD :3V Gnd Clk Dio" at 3036.55,3775.11 h50
  text "UART:5V Gnd Rx Tx" at 3036.5,3709.78 h50
  text "IIC :5V Gnd SCL SDA" at 3044.5,3643.89 h50
  text "UITR:5V Gnd Trl Rco" at 3036.5,3578 h50
  text "Y" at 2501.5,3568 h100
  text "yaw" at 2807.5,3474 h60
  text "MINI:BUS PPM 5V Gnd" at 3036.55,3468 h50
Bottom Overlay:
  drawing of 959 lines, arcs and shapes, not listed
Bottom Solder:
  text "不拿国一不毕业" at 3361.5,3586 h120 r270
  text "JMU ETA Fly" at 3161.5,3571 h150 r270